# Altium PCB ebox-SPARK-拼板.PcbDoc (part 2 of 3) (continued)
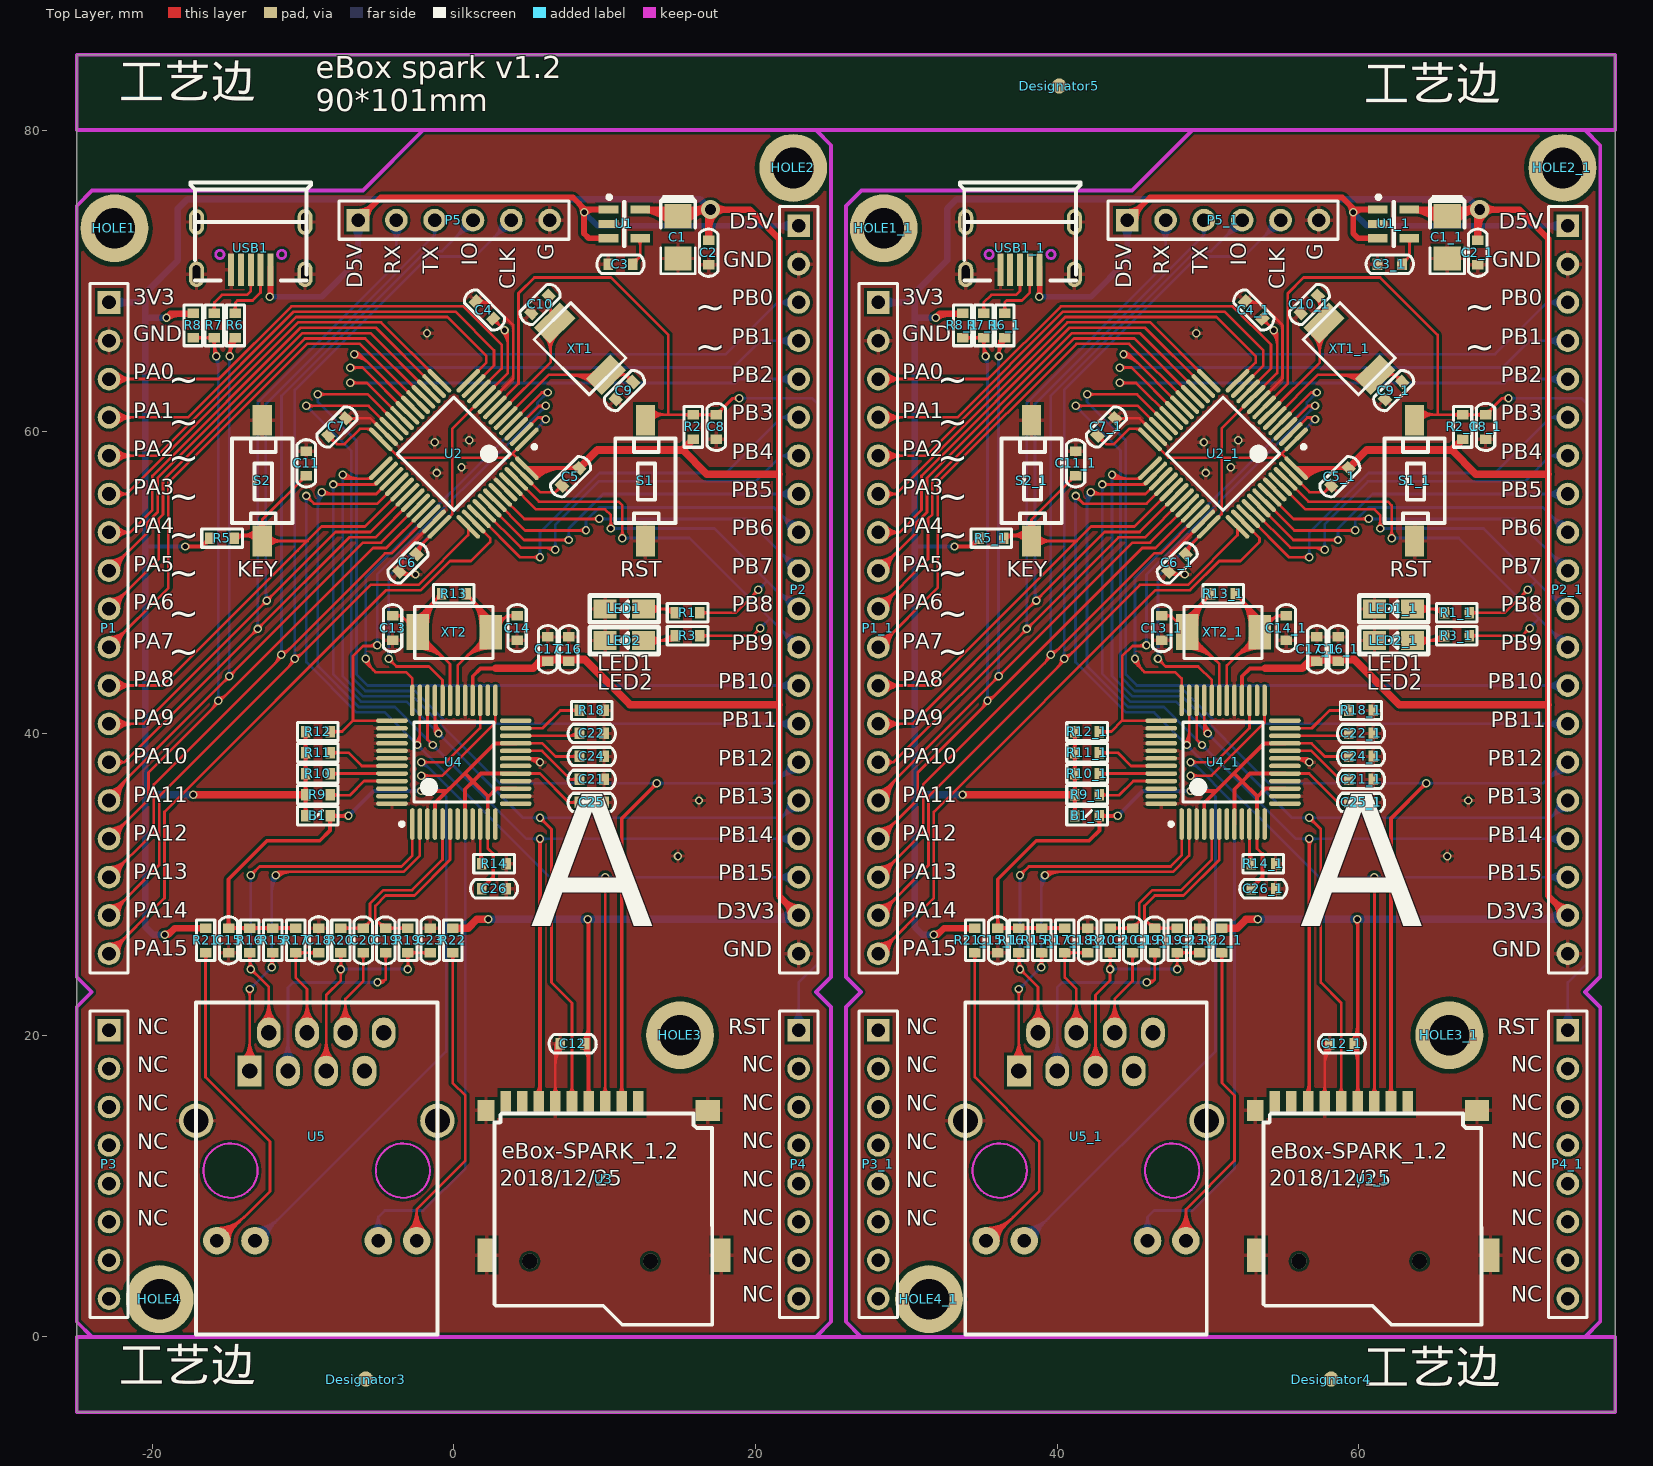
[diagram p0: Top Layer view]
## Nets (pads, with @x,y where several pads share a name; then routed paths per layer and width w, separated by ;. In a path a pad name is that pad's centre, name@x,y a point inside that pad or via, vN(x,y) a via of type N, cw(c..) or ccw(c..) an arc to the next point about the centre after c; other vN are vias at no path point) (continued)
PA4: P1.7 P1_1.7 U2.14 U2_1.14 | length 67.2
  Top Layer w0.178: P1.7@-22.86,53.34 -21.468,53.34 ; P1.7@-22.485,53.035 cw(c-21.842,52.51) -21.842,53.34 cw(c-21.842,54.17) P1.7@-22.485,53.645 ; P1.7@-22.348,52.922 cw(c-21.468,52.205) -21.468,53.34 ; P1.7@-22.348,53.758 ccw(c-21.468,54.475) -21.468,53.34 ; U2.14@-1.308,63.037 -5.175,66.904 -10.17,66.904 -19.99,57.084 -19.99,54.818 -21.468,53.34 ; P1_1.7@28.14,53.34 29.532,53.34 ; P1_1.7@28.515,53.035 cw(c29.158,52.51) 29.158,53.34 cw(c29.158,54.17) P1_1.7@28.515,53.645 ; P1_1.7@28.652,52.922 cw(c29.532,52.205) 29.532,53.34 ; P1_1.7@28.652,53.758 ccw(c29.532,54.475) 29.532,53.34 ; U2_1.14@49.692,63.037 45.825,66.904 40.83,66.904 31.01,57.084 31.01,54.818 29.532,53.34
PA5: P1.8 P1_1.8 U2.15 U2_1.15 | length 70.7
  Top Layer w0.178: P1.8@-22.86,50.8 -20.32,53.34 -20.32,53.985 -19.634,54.671 -19.634,56.937 -10.023,66.548 -5.526,66.548 U2.15@-1.662,62.684 ; P1.8@-22.86,51.283 ccw(c-22.86,52.45) -22.035,51.625 ccw(c-21.21,50.8) P1.8@-22.377,50.8 ; P1.8@-22.86,51.461 ccw(c-22.86,53.057) -21.731,51.929 ccw(c-20.603,50.8) P1.8@-22.199,50.8 ; P1_1.8@28.14,50.8 30.68,53.34 30.68,53.985 31.366,54.671 31.366,56.937 40.977,66.548 45.474,66.548 U2_1.15@49.338,62.684 ; P1_1.8@28.14,51.283 ccw(c28.14,52.45) 28.965,51.625 ccw(c29.79,50.8) P1_1.8@28.623,50.8 ; P1_1.8@28.14,51.461 ccw(c28.14,53.057) 29.269,51.929 ccw(c30.397,50.8) P1_1.8@28.801,50.8
PA6: P1.9 P1_1.9 U2.16 U2_1.16 | length 74.2
  Top Layer w0.178: P1.9@-22.86,48.26 -19.558,51.562 -19.558,54.244 -19.279,54.524 -19.279,56.789 -9.875,66.192 -5.878,66.192 U2.16@-2.015,62.33 ; P1.9@-22.86,48.743 ccw(c-22.86,49.91) -22.035,49.085 ccw(c-21.21,48.26) P1.9@-22.377,48.26 ; P1.9@-22.86,48.921 ccw(c-22.86,50.517) -21.731,49.389 ccw(c-20.603,48.26) P1.9@-22.199,48.26 ; P1_1.9@28.14,48.26 31.442,51.562 31.442,54.244 31.721,54.524 31.721,56.789 41.125,66.192 45.122,66.192 U2_1.16@48.985,62.33 ; P1_1.9@28.14,48.743 ccw(c28.14,49.91) 28.965,49.085 ccw(c29.79,48.26) P1_1.9@28.623,48.26 ; P1_1.9@28.14,48.921 ccw(c28.14,50.517) 29.269,49.389 ccw(c30.397,48.26) P1_1.9@28.801,48.26
PA7: P1.10 P1_1.10 U2.17 U2_1.17 | length 77.7
  Top Layer w0.178: P1.10@-22.86,45.72 -18.923,49.657 -18.923,56.642 -9.728,65.837 -6.229,65.837 U2.17@-2.369,61.976 ; P1.10@-22.86,46.203 ccw(c-22.86,47.37) -22.035,46.545 ccw(c-21.21,45.72) P1.10@-22.377,45.72 ; P1.10@-22.86,46.381 ccw(c-22.86,47.977) -21.731,46.849 ccw(c-20.603,45.72) P1.10@-22.199,45.72 ; P1_1.10@28.14,45.72 32.077,49.657 32.077,56.642 41.272,65.837 44.771,65.837 U2_1.17@48.631,61.976 ; P1_1.10@28.14,46.203 ccw(c28.14,47.37) 28.965,46.545 ccw(c29.79,45.72) P1_1.10@28.623,45.72 ; P1_1.10@28.14,46.381 ccw(c28.14,47.977) 29.269,46.849 ccw(c30.397,45.72) P1_1.10@28.801,45.72
PA8: C11.2 C11_1.2 P1.11 P1_1.11 R5.2 R5_1.2 S2.1 S2_1.1 U2.29 U2_1.29 | length 97.4
  Top Layer w0.178: P1.11@-22.86,43.18 -19.304,43.18 -10.36,52.124 -8.763,53.721 -5.887,53.721 U2.29@-3.429,56.178 ; P1.11@-22.518,42.838 cw(c-21.693,42.013) -21.693,43.18 cw(c-21.693,44.347) P1.11@-22.518,43.522 ; P1.11@-22.393,42.713 cw(c-21.264,41.584) -21.264,43.18 cw(c-21.264,44.776) P1.11@-22.393,43.647 ; S2.1@-13.006,53.602 ccw(c-13.395,54.178) -12.7,54.178 ; S2.1@-12.906,53.455 ccw(c-13.169,53.843) -12.7,53.843 ccw(c-12.231,53.843) S2.1@-12.494,53.455 ; S2.1@-12.44,52.509 cw(c-11.811,51.88) -11.811,52.769 cw(c-11.811,53.658) S2.1@-12.44,53.029 ; S2.1@-12.394,53.602 cw(c-12.005,54.178) -12.7,54.178 ; S2.1@-12.314,52.383 cw(c-11.382,51.451) -11.382,52.769 cw(c-11.382,54.087) S2.1@-12.314,53.155 ; -10.278,56.601 ccw(c-10.776,57.099) C11.2@-10.071,57.099 ; -10.124,56.754 cw(c-9.843,56.472) C11.2@-9.843,56.871 ; C11.2@-9.779,57.099 -12.7,54.178 ; -9.692,52.769 S2.1@-12.7,52.769 -12.7,54.178 ; P1_1.11@28.14,43.18 31.696,43.18 40.64,52.124 42.237,53.721 45.113,53.721 U2_1.29@47.571,56.178 ; P1_1.11@28.482,42.838 cw(c29.307,42.013) 29.307,43.18 cw(c29.307,44.347) P1_1.11@28.482,43.522 ; P1_1.11@28.607,42.713 cw(c29.736,41.584) 29.736,43.18 cw(c29.736,44.776) P1_1.11@28.607,43.647 ; S2_1.1@37.994,53.602 ccw(c37.605,54.178) 38.3,54.178 ; S2_1.1@38.094,53.455 ccw(c37.831,53.843) 38.3,53.843 ccw(c38.769,53.843) S2_1.1@38.506,53.455 ; S2_1.1@38.56,52.509 cw(c39.189,51.88) 39.189,52.769 cw(c39.189,53.658) S2_1.1@38.56,53.029 ; S2_1.1@38.606,53.602 cw(c38.995,54.178) 38.3,54.178 ; S2_1.1@38.686,52.383 cw(c39.618,51.451) 39.618,52.769 cw(c39.618,54.087) S2_1.1@38.686,53.155 ; 40.722,56.601 ccw(c40.224,57.099) C11_1.2@40.929,57.099 ; 40.876,56.754 cw(c41.157,56.472) C11_1.2@41.157,56.871 ; C11_1.2@41.221,57.099 38.3,54.178 ; 41.308,52.769 S2_1.1@38.3,52.769 38.3,54.178
  Top Layer w0.254: R5.2@-14.419,52.888 cw(c-13.818,52.287) -13.818,53.137 ; R5.2@-14.351,53.137 S2.1@-13.068,53.137 ; -13.958,53.137 ccw(c-13.958,54.408) S2.1@-13.059,53.509 ; -13.895,53.137 cw(c-13.895,51.955) S2.1@-13.059,52.791 ; -13.345,53.137 ccw(c-13.345,53.795) S2.1@-12.88,53.33 ; R5_1.2@36.581,52.888 cw(c37.182,52.287) 37.182,53.137 ; R5_1.2@36.649,53.137 S2_1.1@37.932,53.137 ; 37.042,53.137 ccw(c37.042,54.408) S2_1.1@37.941,53.509 ; 37.105,53.137 cw(c37.105,51.955) S2_1.1@37.941,52.791 ; 37.655,53.137 ccw(c37.655,53.795) S2_1.1@38.12,53.33
PA9: P1.12 P1_1.12 P5.3 P5_1.3 U2.30 U2_1.30 | length 127.4
  Top Layer w0.178: P1.12@-22.86,40.64 -20.574,40.64 v1(-12.398,48.816) -7.849,53.365 -5.535,53.365 U2.30@-3.076,55.825 ; P1.12@-22.518,40.298 cw(c-21.693,39.473) -21.693,40.64 cw(c-21.693,41.807) P1.12@-22.518,40.982 ; P1.12@-22.393,40.173 cw(c-21.264,39.044) -21.264,40.64 cw(c-21.264,42.236) P1.12@-22.393,41.107 ; v1@-12.588,48.816 cw(c-13.048,48.816) -12.723,48.491 cw(c-12.398,48.166) v1@-12.398,48.626 ; v1@-12.398,49.007 ccw(c-12.398,49.467) -12.072,49.142 ccw(c-11.747,48.816) v1@-12.207,48.816 ; P1_1.12@28.14,40.64 30.426,40.64 v1(38.602,48.816) 43.151,53.365 45.465,53.365 U2_1.30@47.924,55.825 ; P1_1.12@28.482,40.298 cw(c29.307,39.473) 29.307,40.64 cw(c29.307,41.807) P1_1.12@28.482,40.982 ; P1_1.12@28.607,40.173 cw(c29.736,39.044) 29.736,40.64 cw(c29.736,42.236) P1_1.12@28.607,41.107 ; v1@38.412,48.816 cw(c37.952,48.816) 38.277,48.491 cw(c38.602,48.166) v1@38.602,48.626 ; v1@38.602,49.007 ccw(c38.602,49.467) 38.928,49.142 ccw(c39.253,48.816) v1@38.793,48.816
  Bottom Layer w0.178: v1@-12.532,48.951 ccw(c-12.697,49.116) -12.464,49.116 ; -12.464,49.437 ccw(c-11.777,49.437) v1@-12.263,48.951 ; v1(-12.398,48.816) -12.464,48.883 -12.464,61.859 -1.27,73.053 ; P5.3@-1.522,73.43 cw(c-1.678,73.053) -1.27,73.053 ; P5.3@-1.27,74.041 -1.27,73.053 ; P5.3@-1.27,74.422 P5.3@-1.079,74.612 ; P5.3@-1.018,73.43 ccw(c-0.862,73.053) -1.27,73.053 ; v1@38.468,48.951 ccw(c38.303,49.116) 38.536,49.116 ; 38.536,49.437 ccw(c39.223,49.437) v1@38.737,48.951 ; v1(38.602,48.816) 38.536,48.883 38.536,61.859 49.73,73.053 ; P5_1.3@49.478,73.43 cw(c49.322,73.053) 49.73,73.053 ; P5_1.3@49.73,74.041 49.73,73.053 ; P5_1.3@49.73,74.422 P5_1.3@49.92,74.612 ; P5_1.3@49.982,73.43 ccw(c50.138,73.053) 49.73,73.053
PA10: P1.13 P1_1.13 P5.2 P5_1.2 U2.31 U2_1.31 | length 131.6
  Top Layer w0.178: P1.13@-22.86,38.1 -21.844,38.1 ; P1.13@-22.256,37.832 cw(c-21.844,37.65) -21.844,38.1 ; P1.13@-22.256,38.368 ccw(c-21.844,38.55) -21.844,38.1 ; v1@-13.201,46.934 cw(c-13.66,46.934) -13.335,46.609 cw(c-13.01,46.284) v1@-13.01,46.743 ; v1@-13.01,47.124 ccw(c-13.01,47.584) -12.685,47.259 ccw(c-12.36,46.934) v1@-12.82,46.934 ; U2.31@-2.722,55.471 -5.184,53.01 -6.934,53.01 v1(-13.01,46.934) -21.844,38.1 ; P1_1.13@28.14,38.1 29.156,38.1 v1(37.99,46.934) 44.066,53.01 45.816,53.01 U2_1.31@48.278,55.471 ; P1_1.13@28.744,37.832 cw(c29.156,37.65) 29.156,38.1 cw(c29.156,38.55) P1_1.13@28.744,38.368 ; v1@37.799,46.934 cw(c37.34,46.934) 37.665,46.609 cw(c37.99,46.284) v1@37.99,46.743 ; v1@37.99,47.124 ccw(c37.99,47.584) 38.315,47.259 ccw(c38.64,46.934) v1@38.18,46.934
  Bottom Layer w0.178: v1@-13.145,47.069 ccw(c-13.47,47.394) -13.01,47.394 ccw(c-12.55,47.394) v1@-12.875,47.069 ; v1(-13.01,46.934) -13.01,61.92 -3.81,71.12 P5.2@-3.81,74.041 ; P5.2@-4.277,73.574 cw(c-5.406,72.445) -3.81,72.445 cw(c-2.214,72.445) P5.2@-3.343,73.574 ; P5.2@-4.152,73.699 cw(c-4.977,72.874) -3.81,72.874 cw(c-2.643,72.874) P5.2@-3.468,73.699 ; v1@37.855,47.069 ccw(c37.53,47.394) 37.99,47.394 ccw(c38.45,47.394) v1@38.125,47.069 ; v1(37.99,46.934) 37.99,61.92 47.19,71.12 P5_1.2@47.19,74.041 ; P5_1.2@46.723,73.574 cw(c45.594,72.445) 47.19,72.445 cw(c48.786,72.445) P5_1.2@47.657,73.574 ; P5_1.2@46.848,73.699 cw(c46.023,72.874) 47.19,72.874 cw(c48.357,72.874) P5_1.2@47.532,73.699
PA11: P1.14 P1_1.14 R6.1 R6_1.1 U2.32 U2_1.32 | length 128.9
  Top Layer w0.178: P1.14@-22.86,35.56 -22.86,35.814 -6.02,52.654 -4.832,52.654 U2.32@-2.369,55.118 ; P1.14@-22.86,36.043 ccw(c-22.86,36.597) -22.469,36.205 ; P1.14@-22.86,36.221 ccw(c-22.86,37.204) -22.165,36.509 ; P1.14@-22.732,35.56 cw(c-21.811,35.56) -22.462,36.212 ; P1.14@-22.555,35.56 cw(c-21.204,35.56) -22.159,36.515 ; P1.14@-22.377,35.56 cw(c-20.597,35.56) -21.855,36.819 ; P1.14@-22.199,35.56 cw(c-19.99,35.56) -21.552,37.122 ; v1@-15.071,43.793 cw(c-15.531,43.793) -15.206,43.468 cw(c-14.881,43.143) v1@-14.881,43.603 ; v1@-14.994,65.159 ccw(c-15.319,65.484) -14.859,65.484 ccw(c-14.399,65.484) v1@-14.724,65.159 ; v1@-14.881,43.984 ccw(c-14.881,44.444) -14.555,44.119 ccw(c-14.23,43.793) v1@-14.69,43.793 ; v1@-14.859,64.983 cw(c-13.361,64.983) R6.1@-14.385,66.076 ; v1(-14.859,65.024) -14.859,65.862 R6.1@-14.478,66.243 ; -14.859,65.394 cw(c-13.746,65.394) R6.1@-14.507,66.206 ; -14.859,65.804 cw(c-14.13,65.804) R6.1@-14.628,66.336 ; -14.827,65.894 ccw(c-15.023,66.09) R6.1@-14.759,66.174 ; -14.823,65.898 cw(c-14.542,65.616) R6.1@-14.542,66.015 ; P1_1.14@28.14,35.56 28.14,35.814 44.98,52.654 46.168,52.654 U2_1.32@48.631,55.118 ; P1_1.14@28.14,36.043 ccw(c28.14,36.597) 28.531,36.205 ; P1_1.14@28.14,36.221 ccw(c28.14,37.204) 28.835,36.509 ; P1_1.14@28.268,35.56 cw(c29.189,35.56) 28.538,36.212 ; P1_1.14@28.445,35.56 cw(c29.796,35.56) 28.841,36.515 ; P1_1.14@28.623,35.56 cw(c30.403,35.56) 29.145,36.819 ; P1_1.14@28.801,35.56 cw(c31.01,35.56) 29.448,37.122 ; v1@35.929,43.793 cw(c35.469,43.793) 35.794,43.468 cw(c36.119,43.143) v1@36.119,43.603 ; v1@36.006,65.159 ccw(c35.681,65.484) 36.141,65.484 ccw(c36.601,65.484) v1@36.276,65.159 ; v1@36.119,43.984 ccw(c36.119,44.444) 36.445,44.119 ccw(c36.77,43.793) v1@36.31,43.793 ; v1@36.141,64.983 cw(c37.639,64.983) R6_1.1@36.615,66.076 ; v1(36.141,65.024) 36.141,65.862 R6_1.1@36.522,66.243 ; 36.141,65.394 cw(c37.254,65.394) R6_1.1@36.493,66.206 ; 36.141,65.804 cw(c36.87,65.804) R6_1.1@36.372,66.336 ; 36.173,65.894 ccw(c35.977,66.09) R6_1.1@36.241,66.174 ; 36.177,65.898 cw(c36.458,65.616) R6_1.1@36.458,66.015
  Bottom Layer w0.178: v1@-15.015,43.928 ccw(c-15.331,44.244) -14.884,44.244 ; v1@-14.994,64.889 cw(c-15.258,64.625) -14.884,64.625 ; -14.884,44.263 ccw(c-14.411,44.263) v1@-14.746,43.928 ; -14.884,64.503 cw(c-14.338,64.503) v1@-14.724,64.889 ; v1(-14.881,43.793) -14.884,43.797 -14.884,64.999 v1(-14.859,65.024) ; v1@35.985,43.928 ccw(c35.669,44.244) 36.116,44.244 ; v1@36.006,64.889 cw(c35.742,64.625) 36.116,64.625 ; 36.116,44.263 ccw(c36.589,44.263) v1@36.254,43.928 ; 36.116,64.503 cw(c36.662,64.503) v1@36.276,64.889 ; v1(36.119,43.793) 36.116,43.797 36.116,64.999 v1(36.141,65.024)
PA12: P1.15 P1_1.15 R7.1 R7_1.1 R8.1 R8_1.1 U2.33 U2_1.33 | length 134.9
  Top Layer w0.178: P1.15@-22.86,33.02 -20.244,35.636 -20.244,37.414 -5.359,52.299 -4.481,52.299 U2.33@-2.015,54.764 ; P1.15@-22.86,33.503 ccw(c-22.86,34.67) -22.035,33.845 ccw(c-21.21,33.02) P1.15@-22.377,33.02 ; P1.15@-22.86,33.681 ccw(c-22.86,35.277) -21.731,34.149 ccw(c-20.603,33.02) P1.15@-22.199,33.02 ; R8.1@-17.272,66.243 R7.1@-15.875,66.243 -15.875,65.151 v1(-15.748,65.024) ; R8.1@-17.047,66.082 cw(c-16.657,65.691) -16.657,66.243 cw(c-16.657,66.795) R8.1@-17.047,66.405 ; R7.1@-16.1,66.082 ccw(c-16.49,65.691) -16.49,66.243 ccw(c-16.49,66.795) R7.1@-16.1,66.405 ; -16.036,41.622 ccw(c-16.578,42.164) v1@-15.811,42.164 ; R7.1@-16.037,66.082 cw(c-16.427,65.691) -15.875,65.691 cw(c-15.323,65.691) R7.1@-15.713,66.082 ; -15.875,65.361 ccw(c-15.411,65.361) v1@-15.739,65.033 ; -15.875,65.791 ccw(c-14.981,65.791) v1@-15.613,65.159 ; v1@-15.621,42.355 ccw(c-15.621,43.121) -15.079,42.579 ; P1_1.15@28.14,33.02 30.756,35.636 30.756,37.414 45.641,52.299 46.519,52.299 U2_1.33@48.985,54.764 ; P1_1.15@28.14,33.503 ccw(c28.14,34.67) 28.965,33.845 ccw(c29.79,33.02) P1_1.15@28.623,33.02 ; P1_1.15@28.14,33.681 ccw(c28.14,35.277) 29.269,34.149 ccw(c30.397,33.02) P1_1.15@28.801,33.02 ; R8_1.1@33.728,66.243 R7_1.1@35.125,66.243 35.125,65.151 v1(35.252,65.024) ; R8_1.1@33.953,66.082 cw(c34.343,65.691) 34.343,66.243 cw(c34.343,66.795) R8_1.1@33.953,66.405 ; R7_1.1@34.9,66.082 ccw(c34.51,65.691) 34.51,66.243 ccw(c34.51,66.795) R7_1.1@34.9,66.405 ; R7_1.1@34.963,66.082 cw(c34.573,65.691) 35.125,65.691 cw(c35.677,65.691) R7_1.1@35.287,66.082 ; 34.964,41.622 ccw(c34.422,42.164) v1@35.188,42.164 ; 35.125,65.361 ccw(c35.589,65.361) v1@35.261,65.033 ; 35.125,65.791 ccw(c36.019,65.791) v1@35.387,65.159 ; v1@35.379,42.355 ccw(c35.379,43.121) 35.921,42.579
  Bottom Layer w0.178: v1@-15.883,64.889 cw(c-16.515,64.257) -15.621,64.257 ; v1@-15.757,65.015 cw(c-16.085,64.687) -15.621,64.687 ; v1@-15.756,42.299 ccw(c-16.081,42.624) -15.621,42.624 ccw(c-15.161,42.624) v1@-15.486,42.299 ; v1(-15.748,65.024) -15.621,64.897 v1(-15.621,42.164) ; v1@35.117,64.889 cw(c34.485,64.257) 35.379,64.257 ; v1@35.243,65.015 cw(c34.915,64.687) 35.379,64.687 ; v1@35.244,42.299 ccw(c34.919,42.624) 35.379,42.624 ccw(c35.839,42.624) v1@35.514,42.299 ; v1(35.252,65.024) 35.379,64.897 v1(35.379,42.164)
PA13: P1.16 P1_1.16 P5.4 P5_1.4 U2.34 U2_1.34 | length 156.6
  Top Layer w0.178: P1.16@-22.86,30.48 -19.888,33.452 -19.888,36.627 -4.572,51.943 -4.129,51.943 U2.34@-1.662,54.41 ; P1.16@-22.86,30.963 ccw(c-22.86,32.13) -22.035,31.305 ccw(c-21.21,30.48) P1.16@-22.377,30.48 ; P1.16@-22.86,31.141 ccw(c-22.86,32.737) -21.731,31.609 ccw(c-20.603,30.48) P1.16@-22.199,30.48 ; -11.845,44.67 ccw(c-12.387,45.212) v1@-11.62,45.212 ; v1@-11.43,45.402 ccw(c-11.43,46.169) -10.888,45.627 ; P1_1.16@28.14,30.48 31.112,33.452 31.112,36.627 46.428,51.943 46.871,51.943 U2_1.34@49.338,54.41 ; P1_1.16@28.14,30.963 ccw(c28.14,32.13) 28.965,31.305 ccw(c29.79,30.48) P1_1.16@28.623,30.48 ; P1_1.16@28.14,31.141 ccw(c28.14,32.737) 29.269,31.609 ccw(c30.397,30.48) P1_1.16@28.801,30.48 ; 39.155,44.67 ccw(c38.613,45.212) v1@39.379,45.212 ; v1@39.57,45.402 ccw(c39.57,46.169) 40.112,45.627
  Bottom Layer w0.178: v1@-11.565,45.347 ccw(c-11.89,45.672) -11.43,45.672 ccw(c-10.97,45.672) v1@-11.295,45.347 ; v1(-11.43,45.212) -11.43,62.39 -1.836,71.984 -0.787,71.984 P5.4@1.27,74.041 ; P5.4@0.609,74.041 cw(c-0.987,74.041) 0.141,72.912 cw(c1.27,71.784) P5.4@1.27,73.38 ; P5.4@0.787,74.041 cw(c-0.38,74.041) 0.445,73.216 cw(c1.27,72.391) P5.4@1.27,73.558 ; v1@39.435,45.347 ccw(c39.11,45.672) 39.57,45.672 ccw(c40.03,45.672) v1@39.705,45.347 ; v1(39.57,45.212) 39.57,62.39 49.164,71.984 50.213,71.984 P5_1.4@52.27,74.041 ; P5_1.4@51.609,74.041 cw(c50.013,74.041) 51.141,72.912 cw(c52.27,71.784) P5_1.4@52.27,73.38 ; P5_1.4@51.787,74.041 cw(c50.62,74.041) 51.445,73.216 cw(c52.27,72.391) P5_1.4@52.27,73.558
PA14: P1.17 P1_1.17 P5.5 P5_1.5 U2.37 U2_1.37 | length 169.9
  Top Layer w0.178: P1.17@-22.86,27.94 -19.533,31.267 -19.533,35.839 -5.512,49.86 -2.337,49.86 0.955,53.152 U2.37@0.955,53.703 ; P1.17@-22.86,28.423 ccw(c-22.86,29.59) -22.035,28.765 ccw(c-21.21,27.94) P1.17@-22.377,27.94 ; P1.17@-22.86,28.601 ccw(c-22.86,30.197) -21.731,29.069 ccw(c-20.603,27.94) P1.17@-22.199,27.94 ; -10.956,44.416 ccw(c-11.498,44.958) v1@-10.731,44.958 ; v1@-10.541,45.148 ccw(c-10.541,45.915) -9.999,45.373 ; P1_1.17@28.14,27.94 31.467,31.267 31.467,35.839 45.488,49.86 48.663,49.86 51.955,53.152 U2_1.37@51.955,53.703 ; P1_1.17@28.14,28.423 ccw(c28.14,29.59) 28.965,28.765 ccw(c29.79,27.94) P1_1.17@28.623,27.94 ; P1_1.17@28.14,28.601 ccw(c28.14,30.197) 29.269,29.069 ccw(c30.397,27.94) P1_1.17@28.801,27.94 ; 40.044,44.416 ccw(c39.502,44.958) v1@40.268,44.958 ; v1@40.459,45.148 ccw(c40.459,45.915) 41.001,45.373
  Bottom Layer w0.178: v1@-10.676,45.093 ccw(c-11.001,45.418) -10.541,45.418 ccw(c-10.081,45.418) v1@-10.406,45.093 ; v1(-10.541,44.958) -10.541,62.776 -1.689,71.628 1.397,71.628 P5.5@3.81,74.041 ; P5.5@3.149,74.041 cw(c1.553,74.041) 2.681,72.912 cw(c3.81,71.784) P5.5@3.81,73.38 ; P5.5@3.327,74.041 cw(c2.16,74.041) 2.985,73.216 cw(c3.81,72.391) P5.5@3.81,73.558 ; v1@40.324,45.093 ccw(c39.999,45.418) 40.459,45.418 ccw(c40.919,45.418) v1@40.594,45.093 ; v1(40.459,44.958) 40.459,62.776 49.311,71.628 52.397,71.628 P5_1.5@54.81,74.041 ; P5_1.5@54.149,74.041 cw(c52.553,74.041) 53.681,72.912 cw(c54.81,71.784) P5_1.5@54.81,73.38 ; P5_1.5@54.327,74.041 cw(c53.16,74.041) 53.985,73.216 cw(c54.81,72.391) P5_1.5@54.81,73.558
PA15: P1.18 P1_1.18 U2.38 U2_1.38 | length 92.2
  Top Layer w0.178: P1.18@-22.86,25.4 -19.177,29.083 -19.177,34.808 -4.481,49.505 -2.184,49.505 -0.254,51.435 1.143,51.435 2.413,52.705 2.413,52.952 U2.38@1.308,54.057 ; P1.18@-22.86,25.883 ccw(c-22.86,27.05) -22.035,26.225 ccw(c-21.21,25.4) P1.18@-22.377,25.4 ; P1.18@-22.86,26.061 ccw(c-22.86,27.657) -21.731,26.529 ccw(c-20.603,25.4) P1.18@-22.199,25.4 ; P1_1.18@28.14,25.4 31.823,29.083 31.823,34.808 46.519,49.505 48.816,49.505 50.746,51.435 52.143,51.435 53.413,52.705 53.413,52.952 U2_1.38@52.308,54.057 ; P1_1.18@28.14,25.883 ccw(c28.14,27.05) 28.965,26.225 ccw(c29.79,25.4) P1_1.18@28.623,25.4 ; P1_1.18@28.14,26.061 ccw(c28.14,27.657) 29.269,26.529 ccw(c30.397,25.4) P1_1.18@28.801,25.4
PB0: P2.3 P2_1.3 U2.18 U2_1.18 | length 85.1
  Top Layer w0.178: v1@-6.604,64.96 cw(c-6.604,63.647) -5.675,64.576 ; v1@-6.604,65.138 cw(c-6.604,64.254) -5.979,64.879 ; v1(-6.604,65.151) -6.25,65.151 U2.18@-2.722,61.623 ; v1@-6.604,65.316 cw(c-6.604,64.861) -6.282,65.183 ; v1@44.396,64.96 cw(c44.396,63.647) 45.325,64.576 ; v1@44.396,65.138 cw(c44.396,64.254) 45.021,64.879 ; v1(44.396,65.151) 44.75,65.151 U2_1.18@48.278,61.623 ; v1@44.396,65.316 cw(c44.396,64.861) 44.718,65.183
  Bottom Layer w0.178: v1(-6.604,65.151) 18.034,65.151 21.463,68.58 ; v1@-6.469,65.016 cw(c-6.144,64.691) -6.144,65.151 cw(c-6.144,65.611) v1@-6.469,65.286 ; P2.3@22.349,68.161 ccw(c21.463,67.435) 21.463,68.58 ; P2.3@22.349,68.999 cw(c21.463,69.725) 21.463,68.58 ; P2.3@22.486,68.274 ccw(c21.839,67.743) 21.839,68.58 ccw(c21.839,69.417) P2.3@22.486,68.886 ; P2.3@22.86,68.58 21.463,68.58 ; v1(44.396,65.151) 69.034,65.151 72.463,68.58 ; v1@44.531,65.016 cw(c44.856,64.691) 44.856,65.151 cw(c44.856,65.611) v1@44.531,65.286 ; P2_1.3@73.349,68.161 ccw(c72.463,67.435) 72.463,68.58 ; P2_1.3@73.349,68.999 cw(c72.463,69.725) 72.463,68.58 ; P2_1.3@73.486,68.274 ccw(c72.839,67.743) 72.839,68.58 ccw(c72.839,69.417) P2_1.3@73.486,68.886 ; P2_1.3@73.86,68.58 72.463,68.58
PB1: P2.4 P2_1.4 U2.19 U2_1.19 | length 82.5
  Top Layer w0.178: v1(-6.858,64.262) -6.069,64.262 U2.19@-3.076,61.269 ; v1@-6.723,64.127 cw(c-6.398,63.802) -6.398,64.262 cw(c-6.398,64.722) v1@-6.723,64.397 ; v1(44.142,64.262) 44.931,64.262 U2_1.19@47.924,61.269 ; v1@44.277,64.127 cw(c44.602,63.802) 44.602,64.262 cw(c44.602,64.722) v1@44.277,64.397
  Bottom Layer w0.178: v1(-6.858,64.262) 18.542,64.262 20.32,66.04 P2.4@22.86,66.04 ; v1@-6.723,64.127 cw(c-6.398,63.802) -6.398,64.262 cw(c-6.398,64.722) v1@-6.723,64.397 ; P2.4@22.393,65.573 ccw(c21.264,64.444) 21.264,66.04 ccw(c21.264,67.636) P2.4@22.393,66.507 ; P2.4@22.518,65.698 ccw(c21.693,64.873) 21.693,66.04 ccw(c21.693,67.207) P2.4@22.518,66.382 ; v1(44.142,64.262) 69.542,64.262 71.32,66.04 P2_1.4@73.86,66.04 ; v1@44.277,64.127 cw(c44.602,63.802) 44.602,64.262 cw(c44.602,64.722) v1@44.277,64.397 ; P2_1.4@73.393,65.573 ccw(c72.264,64.444) 72.264,66.04 ccw(c72.264,67.636) P2_1.4@73.393,66.507 ; P2_1.4@73.518,65.698 ccw(c72.693,64.873) 72.693,66.04 ccw(c72.693,67.207) P2_1.4@73.518,66.382
PB2: P2.5 P2_1.5 U2.20 U2_1.20 | length 80
  Top Layer w0.178: v1(-6.858,63.246) -5.76,63.246 U2.20@-3.429,60.916 ; v1@-6.723,63.111 cw(c-6.398,62.786) -6.398,63.246 cw(c-6.398,63.706) v1@-6.723,63.381 ; v1(44.142,63.246) 45.24,63.246 U2_1.20@47.571,60.916 ; v1@44.277,63.111 cw(c44.602,62.786) 44.602,63.246 cw(c44.602,63.706) v1@44.277,63.381
  Bottom Layer w0.178: v1(-6.858,63.246) 18.669,63.246 18.923,63.5 P2.5@22.86,63.5 ; v1@-6.723,63.111 cw(c-6.398,62.786) -6.398,63.246 cw(c-6.398,63.706) v1@-6.723,63.381 ; P2.5@22.393,63.033 ccw(c21.264,61.904) 21.264,63.5 ccw(c21.264,65.096) P2.5@22.393,63.967 ; P2.5@22.518,63.158 ccw(c21.693,62.333) 21.693,63.5 ccw(c21.693,64.667) P2.5@22.518,63.842 ; v1(44.142,63.246) 69.669,63.246 69.923,63.5 P2_1.5@73.86,63.5 ; v1@44.277,63.111 cw(c44.602,62.786) 44.602,63.246 cw(c44.602,63.706) v1@44.277,63.381 ; P2_1.5@73.393,63.033 ccw(c72.264,61.904) 72.264,63.5 ccw(c72.264,65.096) P2_1.5@73.393,63.967 ; P2_1.5@73.518,63.158 ccw(c72.693,62.333) 72.693,63.5 ccw(c72.693,64.667) P2_1.5@73.518,63.842
PB3: P2.6 P2_1.6 U2.39 U2_1.39 | length 61.9
  Top Layer w0.178: U2.39@1.662,54.41 4.383,51.689 v1(5.715,51.689) ; v1@5.58,51.554 ccw(c5.255,51.229) 5.255,51.689 ccw(c5.255,52.149) v1@5.58,51.824 ; U2_1.39@52.662,54.41 55.383,51.689 v1(56.715,51.689) ; v1@56.58,51.554 ccw(c56.255,51.229) 56.255,51.689 ccw(c56.255,52.149) v1@56.58,51.824
  Bottom Layer w0.178: v1@5.58,51.824 ccw(c5.255,52.149) 5.715,52.149 ccw(c6.175,52.149) v1@5.85,51.824 ; v1(5.715,51.689) 5.715,53.34 9.652,57.277 18.034,57.277 21.717,60.96 ; P2.6@22.287,60.63 ccw(c21.717,60.303) 21.717,60.96 ; P2.6@22.287,61.29 cw(c21.717,61.617) 21.717,60.96 ; P2.6@22.441,60.719 ccw(c22.024,60.479) 22.024,60.96 ccw(c22.024,61.441) P2.6@22.441,61.201 ; P2.6@22.86,60.96 21.717,60.96 ; v1@56.58,51.824 ccw(c56.255,52.149) 56.715,52.149 ccw(c57.175,52.149) v1@56.85,51.824 ; v1(56.715,51.689) 56.715,53.34 60.652,57.277 69.034,57.277 72.717,60.96 ; P2_1.6@73.287,60.63 ccw(c72.717,60.303) 72.717,60.96 ; P2_1.6@73.287,61.29 cw(c72.717,61.617) 72.717,60.96 ; P2_1.6@73.441,60.719 ccw(c73.024,60.479) 73.024,60.96 ccw(c73.024,61.441) P2_1.6@73.441,61.201 ; P2_1.6@73.86,60.96 72.717,60.96
PB4: P2.7 P2_1.7 U2.40 U2_1.40 | length 59.3
  Top Layer w0.178: U2.40@2.015,54.764 4.455,52.324 6.604,52.324 v1(6.731,52.197) ; 5.964,52.324 cw(c5.964,51.43) v1@6.596,52.062 ; 6.394,52.324 cw(c6.394,51.86) v1@6.722,52.188 ; U2_1.40@53.015,54.764 55.455,52.324 57.604,52.324 v1(57.731,52.197) ; 56.964,52.324 cw(c56.964,51.43) v1@57.596,52.062 ; 57.394,52.324 cw(c57.394,51.86) v1@57.722,52.188
  Bottom Layer w0.178: v1@6.596,52.332 ccw(c6.271,52.657) 6.731,52.657 ccw(c7.191,52.657) v1@6.866,52.332 ; v1(6.731,52.197) 6.731,53.848 9.6,56.717 20.014,56.717 21.717,58.42 ; P2.7@22.287,58.09 ccw(c21.717,57.763) 21.717,58.42 ; P2.7@22.287,58.75 cw(c21.717,59.077) 21.717,58.42 ; P2.7@22.441,58.179 ccw(c22.024,57.939) 22.024,58.42 ccw(c22.024,58.901) P2.7@22.441,58.661 ; P2.7@22.86,58.42 21.717,58.42 ; v1@57.596,52.332 ccw(c57.271,52.657) 57.731,52.657 ccw(c58.191,52.657) v1@57.866,52.332 ; v1(57.731,52.197) 57.731,53.848 60.6,56.717 71.014,56.717 72.717,58.42 ; P2_1.7@73.287,58.09 ccw(c72.717,57.763) 72.717,58.42 ; P2_1.7@73.287,58.75 cw(c72.717,59.077) 72.717,58.42 ; P2_1.7@73.441,58.179 ccw(c73.024,57.939) 73.024,58.42 ccw(c73.024,58.901) P2_1.7@73.441,58.661 ; P2_1.7@73.86,58.42 72.717,58.42
PB5: P2.8 P2_1.8 U2.41 U2_1.41 | length 57.9
  Top Layer w0.178: U2.41@2.369,55.118 4.654,52.832 v1(7.62,52.832) ; v1@7.485,52.697 ccw(c7.16,52.372) 7.16,52.832 ccw(c7.16,53.292) v1@7.485,52.967 ; U2_1.41@53.369,55.118 55.654,52.832 v1(58.62,52.832) ; v1@58.485,52.697 ccw(c58.16,52.372) 58.16,52.832 ccw(c58.16,53.292) v1@58.485,52.967
  Bottom Layer w0.178: v1@7.485,52.967 ccw(c7.16,53.292) 7.62,53.292 ccw(c8.08,53.292) v1@7.755,52.967 ; v1(7.62,52.832) 7.62,53.594 9.906,55.88 P2.8@22.86,55.88 ; P2.8@22.393,55.413 ccw(c21.264,54.284) 21.264,55.88 ccw(c21.264,57.476) P2.8@22.393,56.347 ; P2.8@22.518,55.538 ccw(c21.693,54.713) 21.693,55.88 ccw(c21.693,57.047) P2.8@22.518,56.222 ; v1@58.485,52.967 ccw(c58.16,53.292) 58.62,53.292 ccw(c59.08,53.292) v1@58.755,52.967 ; v1(58.62,52.832) 58.62,53.594 60.906,55.88 P2_1.8@73.86,55.88 ; P2_1.8@73.393,55.413 ccw(c72.264,54.284) 72.264,55.88 ccw(c72.264,57.476) P2_1.8@73.393,56.347 ; P2_1.8@73.518,55.538 ccw(c72.693,54.713) 72.693,55.88 ccw(c72.693,57.047) P2_1.8@73.518,56.222
PB6: P2.9 P2_1.9 U2.42 U2_1.42 | length 56.9
  Top Layer w0.178: U2.42@2.722,55.471 4.726,53.467 v1(8.763,53.467) ; v1@8.628,53.332 ccw(c8.303,53.007) 8.303,53.467 ccw(c8.303,53.927) v1@8.628,53.602 ; U2_1.42@53.722,55.471 55.726,53.467 v1(59.763,53.467) ; v1@59.628,53.332 ccw(c59.303,53.007) 59.303,53.467 ccw(c59.303,53.927) v1@59.628,53.602
  Bottom Layer w0.178: v1@8.628,53.602 ccw(c8.303,53.927) 8.763,53.927 ccw(c9.223,53.927) v1@8.898,53.602 ; v1(8.763,53.467) 8.763,54.112 9.642,54.991 21.209,54.991 P2.9@22.86,53.34 ; P2.9@22.199,53.34 ccw(c20.603,53.34) 21.731,54.469 ccw(c22.86,55.597) P2.9@22.86,54.001 ; P2.9@22.377,53.34 ccw(c21.21,53.34) 22.035,54.165 ccw(c22.86,54.99) P2.9@22.86,53.823 ; v1@59.628,53.602 ccw(c59.303,53.927) 59.763,53.927 ccw(c60.223,53.927) v1@59.898,53.602 ; v1(59.763,53.467) 59.763,54.112 60.642,54.991 72.209,54.991 P2_1.9@73.86,53.34 ; P2_1.9@73.199,53.34 ccw(c71.603,53.34) 72.731,54.469 ccw(c73.86,55.597) P2_1.9@73.86,54.001 ; P2_1.9@73.377,53.34 ccw(c72.21,53.34) 73.035,54.165 ccw(c73.86,54.99) P2_1.9@73.86,53.823
PB7: P2.10 P2_1.10 U2.43 U2_1.43 | length 55.3
  Top Layer w0.178: U2.43@3.076,55.825 4.672,54.229 v1(9.652,54.229) ; v1@9.517,54.094 ccw(c9.192,53.769) 9.192,54.229 ccw(c9.192,54.689) v1@9.517,54.364 ; U2_1.43@54.076,55.825 55.672,54.229 v1(60.652,54.229) ; v1@60.517,54.094 ccw(c60.192,53.769) 60.192,54.229 ccw(c60.192,54.689) v1@60.517,54.364
  Bottom Layer w0.178: v1(9.652,54.229) 19.431,54.229 P2.10@22.86,50.8 ; v1@9.787,54.094 cw(c10.112,53.769) 10.112,54.229 cw(c10.112,54.689) v1@9.787,54.364 ; P2.10@22.199,50.8 ccw(c20.603,50.8) 21.731,51.929 ccw(c22.86,53.057) P2.10@22.86,51.461 ; P2.10@22.377,50.8 ccw(c21.21,50.8) 22.035,51.625 ccw(c22.86,52.45) P2.10@22.86,51.283 ; v1(60.652,54.229) 70.431,54.229 P2_1.10@73.86,50.8 ; v1@60.787,54.094 cw(c61.112,53.769) 61.112,54.229 cw(c61.112,54.689) v1@60.787,54.364 ; P2_1.10@73.199,50.8 ccw(c71.603,50.8) 72.731,51.929 ccw(c73.86,53.057) P2_1.10@73.86,51.461 ; P2_1.10@73.377,50.8 ccw(c72.21,50.8) 73.035,51.625 ccw(c73.86,52.45) P2_1.10@73.86,51.283